# KiCad board MainPCB.kicad_pcb (continued)
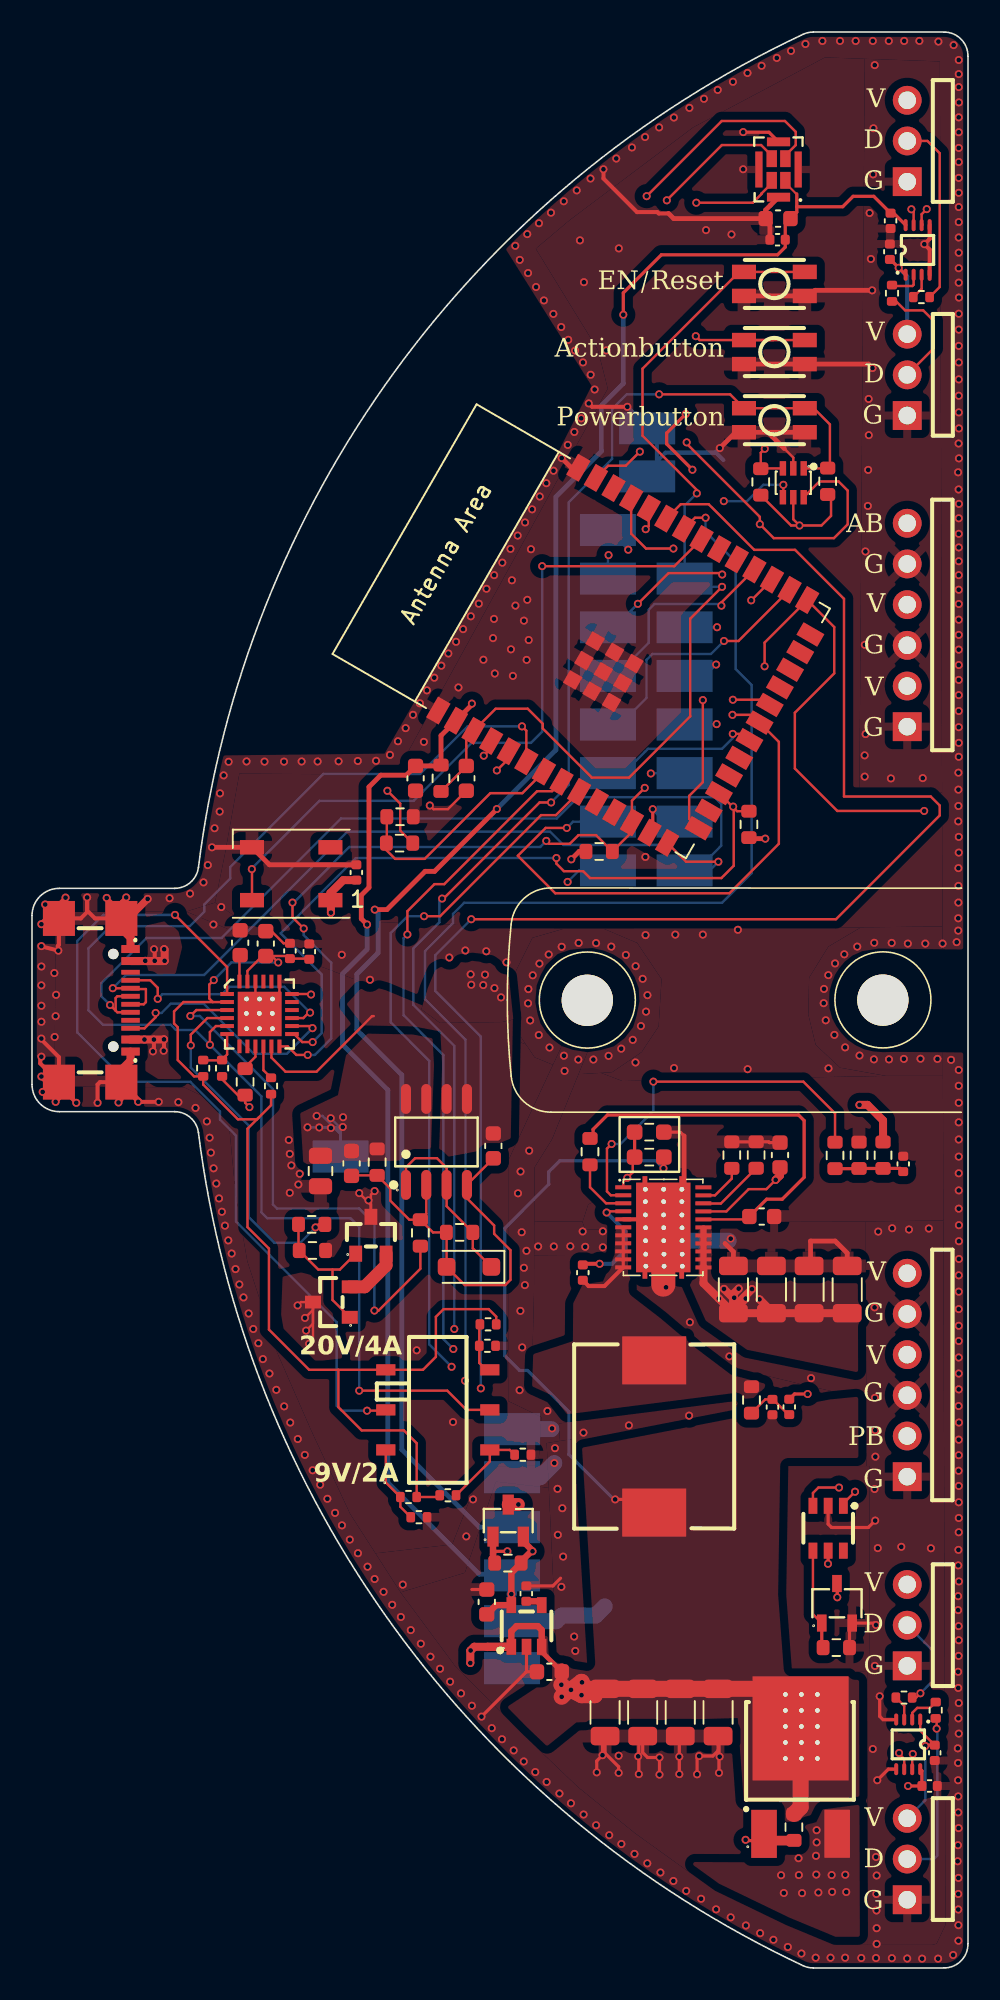
[diagram p0: board, top side]
## Routing (per net, layer and track width the routed paths; a pad name or vN(x,y) marks a point on that pad's centre or on a via; arc(x,y) is an arc through that point)
3.3V AFTER MOSFET: length 171.1
  Top w0.127: 47.79,110.75 47.76,110.75 47.07,111.43 U7.1
  Top w0.2: 47.79,109.95 50.66,109.95 51.31,110.6 52.6,110.6 C29.2 53.84,109.55 U24.8 ; 47.79,109.95 47.79,109.61 C27.2 47.07,108.89 C26.2 47.07,107.43 46.59,106.95 39.33,106.95 36.95,104.57 v1(36.95,103.21) ; 47.79,109.95 47.79,110.75 ; U14.8 55.61,12.3 C23.2 v1(54.74,11.36)
  Top w0.3: v1(21.42,66.07) 22.18,66.07 24.57,68.46 25.16,68.46 v1(29.05,72.35)
  Top w0.8: v1(30.39,28.94) 29.76,28.94 U11.3
  In2.Cu w0.2: v1(30.39,28.94) 28.52,27.06 28.52,25.73 31.97,22.28 43.86,22.28 45.13,21.01 45.13,10.93 42.95,8.75 42.95,6.83 43.57,6.21 45.34,6.21 51.75,12.62 53.48,12.62 v1(54.74,11.36)
  Bottom w0.3: P34.1 27.94,27.52 23.11,32.36 23.11,55.75 20.3,58.56 20.3,62.04 21.62,63.37 21.62,65.86 v1(21.42,66.07) ; v1(36.95,103.21) 36.95,98.91 35.58,97.54 35.58,94.68 32.74,91.84 32.74,76.04 v1(29.05,72.35)
  Bottom w0.4: P34.1 29.99,28.54 v1(30.39,28.94)
5V AFTER MOSFET: length 19.5
  Top w0.15: U14.1 55.5,14.82 C21.2
  Top w0.2: U24.1 v1(54.15,106.14) 53.63,106.66 ; v1(55.82,13.86) 55.87,13.91 C21.2
  Top w0.3: C28.2 53.63,106.66
  Bottom w0.15: v1(55.82,13.86) 55.82,10.47 U16.3
  Bottom w0.25: v1(54.15,106.14) 54.69,105.6 U18.3
  Bottom w1: P1.1 32.75,21.65 33.11,22 35.22,22 35.79,22.57
  vias: v1(46.81,5.79) v1(46.98,4.68) v1(47.9,6.85) v1(47.92,5.8) v1(48.12,4.67) v1(49.03,8.6) v1(49.03,7.84) v1(48.99,7) v1(49.01,5.83) v1(49.14,4.71) v1(49.97,5.8) v1(50,4.75) v1(50.82,5.82) v1(50.88,4.74)
+1V8: length 1.7
  Top w0.15: IC1.24 12.96,63.19 C3.2
+3.3V: length 174.2
  Top w0.15: v1(47.96,90.05) 47.43,90.05 R29.1 ; v1(47.96,90.05) 47.57,90.44 U15.5 ; v1(47.96,90.05) 49.33,90.05 49.93,90.65 49.93,91.97
  Top w0.2: v1(49.74,25.23) 49.75,25.24 U1.5 ; 31.26,26.07 31.26,26.03 v1(31.28,26.01) ; v1(41.27,93.53) 39.66,95.14 39.66,95.82 v1(40.85,97.01)
  Top w0.3: R4.1 44.86,70.5 v1(45.82,70.5) ; v1(20.94,65.14) 20.58,65.5 20.58,66.97 21.06,67.45 21.06,73.73 21.79,74.46 23.39,74.46 C19.2 25.5,75.04 R30.1 25.56,76.93 U23.2 27.49,78.86 v1(27.49,78.93) ; v1(33.7,69.21) 34.19,69.7 R3.1
  Top w0.4: U11.2 30.71,26.62 31.26,26.07 30.56,25.37 R23.2 29.95,24.67 U13.5 28.99,22.65 C24.2
  In2.Cu w0.2: v1(31.28,26.01) 31.69,26.42 48.55,26.42 v1(49.74,25.23) ; v1(41.27,93.53) 44.72,93.53 47.96,90.29 v1(47.96,90.05)
  In2.Cu w0.3: 34.17,69.62 33.76,69.21 v1(33.7,69.21) ; 34.17,69.62 34.17,72.67 ; 34.17,69.62 35.28,68.5 40.42,68.5 42.13,70.21 45.53,70.21 v1(45.82,70.5) ; 34.17,72.67 34.17,72.93 28.17,78.93 v1(27.49,78.93) ; 34.17,72.67 34.91,73.41 34.91,94.01 37.81,96.91 40.75,96.91 v1(40.85,97.01)
  Bottom w0.2: v1(31.28,26.01) 29.99,24.73 P33.1
  Bottom w0.3: v1(20.94,65.14) 20.94,63.59 19.4,62.06 19.4,57.64 22.24,54.81 22.24,30.29 27.94,24.58 29.99,24.58
  Bottom w0.6: 29.99,24.58 29.99,23.39 v1(29.95,23.34)
+5V: length 86.1
  Top w0.15: v1(17.13,39.79) 17.56,40.22 U4.3 ; U4.3 17.56,39.21 v1(17.32,38.97) ; U4.3 17.56,41.08 v1(17.06,40.58) ; U4.3 16.81,41.57 v1(16.6,41.36)
  Top w0.2: U20.1 38.06,29.25 v1(36.44,29.25) ; v1(39.46,49.92) 39.48,49.94 R31.1
  Top w0.3: 31.85,19.74 C20.2
  Top w0.4: U13.1 29.95,21.01 30.28,21.34 31.61,21.34 31.85,21.1 U13.3 31.85,19.74
  Top w0.5: 29.24,19.99 29.3,20.05 U13.1 ; 28.46,20.03 28.48,20.05 U13.1 ; 27.64,20.05 v1(27.41,19.82) ; 27.64,20.05 27.39,19.8 v1(27.39,19.04) ; 27.64,20.05 U13.1 ; v1(33.08,17.68) 33.1,17.71 C20.2 33.1,18.77 ; C30.2 19.45,67.91 18.65,67.11 D2.1 18.68,66.63 v1(18.68,65.88) ; U13.3 31.85,20.02
  Top w1: R20.2 48.02,10.03 U9.2 45.55,17.43 C18.1 C31.1 C32.1 C33.1 34.77,17.43 35.17,17.03 v1(34.34,17.03) v1(33.68,17.36) ; 33.4,17.36 33.4,17.23 v1(33.1,16.93) ; 33.4,17.36 v1(33.08,17.68) ; 33.4,17.36 v1(33.68,17.36) ; v1(33.68,17.36) 34.34,17.86 v1(34.37,17.83)
  In2.Cu w0.5: v1(18.68,65.88) 18.68,65.29 18.81,65.16
  Bottom w0.2: v1(39.46,49.92) 38.99,50.39 32.98,50.39 32.29,49.7 32.29,48.92 29.54,46.17 29.54,38.23 30.47,37.3 30.97,37.3 33.55,34.72 33.55,32.06 36.36,29.25 v1(36.44,29.25) ; P2.1 29.99,19.23 ; P2.1 28.8,18.71 ; P2.1 29.77,18.71
GND: length 202.1
  Top w0.15: 14.61,64.73 14.96,64.73 15.72,63.97 C6.1 ; 46.27,95.59 47.57,94.29 U15.2 ; C19.1 23.97,73.11 ; IC1.25 15.46,60.93 IC1.19 ; v1(13.59,53.74) 13.32,54.01 R1.2 12.87,54.49 11.88,55.48 R8.2 ; IC1.22 13.96,60.75 IC1.25 ; C25.1 25.99,72.34 25.09,72.34 v1(24.86,72.57)
  Top w0.2: v1(52.74,21.41) 52.62,21.53 U12.2 51.08,21.37 51.08,20 ; v1(37.92,12.1) 37.92,14.24 C32.2 38.16,13.45 38.47,13.14 v1(39.21,13.14) v1(39.21,12.07) ; 40.75,51.94 40.51,52.18 R32.2 ; U7.7 46.05,114.6 44.45,114.6 v1(44.44,114.61) ; 33.03,24.33 32.55,23.85 C22.1 ; 40.75,48.61 U6.23 ; v1(36.66,12.18) 36.66,12.56 35.81,13.41 C33.2 35.65,14.32 v1(35.65,13.28) 35.29,12.92 v1(35.29,12.21) ; v1(41.56,12.09) 41.56,13.1 v1(41.69,13.23) 42.54,13.23 42.87,13.56 C18.2 42.93,14.42 v1(42.93,12.18) ; U1.2 49.75,27.71 49.96,27.5 52.26,27.5 v1(52.69,27.93) ; 57.91,50.7 57.96,50.65 ; v1(40.45,12.1) 40.45,14.42 C31.2 ; R38.1 45.24,51.57 R18.1 46.03,51.58 46.08,51.53 46.74,51.53 ; v1(52.82,11.72) 53.51,12.41 U14.5 ; 30.89,18.49 v1(28.09,15.69) ; 30.89,18.49 31.55,18.49 ; 30.89,18.49 30.9,18.5 U13.2 ; v1(52.97,16.96) 52.97,15.71 53.18,15.5 53.99,15.5 U14.4 ; 39.45,42.66 v1(39.62,42.49) ; 28.42,23.63 27.48,23.63
  Top w0.25: U5.13 6.81,54.07 v1(7.92,54.07) ; U5.13 5.58,54.21 v1(5.41,54.03) ; U5.13 4.25,55.3 4.1,55.15 v1(4.1,54.01) ; U5.13 5.58,55.12 v1(6.64,54.07) ; 0.54,55.65 0.89,55.3 U5.14 ; v1(34.79,97.67) 35,97.46 v1(37.2,97.46) ; U24.4 56.09,107.28 v1(55.76,107.61) 56.09,107.94 U24.5 ; U5.15 1.68,66.41 v1(2.1,66.82) ; U5.15 0.89,65.52 0.53,65.16 ; U5.15 3.05,65.52 3.45,65.92 v1(3.45,66.83) 3.45,66.01 3.94,65.52 U5.16 ; U5.15 1.68,63.87 1.61,63.79 v1(1.65,63.51) 0.53,63.79 ; U5.15 1.6,65.52 0.73,66.39 ; v1(5.89,66.83) 5.58,66.53 U5.16 ; 0.52,56.89 0.52,56.47 U5.14 ; v1(2.77,54.01) 1.68,55.09 U5.14 ; U6.5 38.94,46.74 U6.23 ; U5.14 1.28,55.3 v1(0.67,54.69) ; U5.14 1.68,54.28 v1(1.48,54.07) ; U5.14 1.68,56.86 0.53,58.02 ; 39.78,109.53 39.16,109.53 39.07,109.62 37.8,109.62 35.71,111.71 v1(35.71,112.29) ; U5.16 6.01,65.52 ; U5.16 5.58,65.88 v1(4.67,66.8)
  Top w0.3: C14.2 43.83,44.71 43.31,45.23 ; 47.01,94.85 45.99,95.87 ; C17.2 48.65,43.92 48.65,45.38 50.19,45.38 50.94,44.63 C12.2 ; C26.1 46.11,108.95 C27.1 ; v1(52.52,99.88) 52.27,100.13 SW2.1 SW2.1 ; U7.5 45.84,109.74 C27.1 ; C27.1 40.1,109.21 39.78,109.53 ; C30.1 14.84,68.87 D2.3 v1(11.25,69.96) ; v1(42.98,94.88) 43.97,95.87 SW1.1 45.99,95.87 ; SW4.1 SW4.1 48.59,104.38 48.94,104.73 v1(52.5,104.73) ; 45.99,95.87 SW1.1 ; v1(33.1,94.26) 33.7,93.65 U23.40 ; 40.75,51.94 40.75,48.61
  Top w0.45: 6.01,65.52 v1(7.23,66.74)
  Top w0.5: U5.12 6.16,56.64 5.58,56.07 U5.13 ; U5.16 5.58,64.89 6.16,64.32 U5.1
  Top w1.5: U6.23 39.45,42.66
  In2.Cu w0.15: v1(10.93,52.85) 10.93,53.1 11.57,53.74 v1(13.59,53.74)
  In2.Cu w0.5: v1(23.17,23.93) 22.72,23.48 v1(21.97,23.48)
  Bottom w0.2: 32.45,33.64 v1(32.5,33.68)
  Bottom w0.25: 39.92,94.6 39.59,94.6 38.44,93.45 P6.1 39.05,93.72 39.05,95.51 P5.1 38.44,96.22 v1(37.2,97.46) ; 39.92,94.6 42.7,94.6 v1(42.98,94.88) ; 39.92,94.6 42.73,94.6 43.2,94.13 ; v1(43.66,45.53) 43.53,45.4
  Bottom w1: P3.1 32.45,33.64 ; v1(32.64,31.52) 31.75,30.64 P4.1 ; 43.53,45.4 U6.23
  vias: v1(0.59,65.16) v1(0.59,63.79) v1(0.59,62.52) v1(0.59,61.34) v1(0.59,60.07) v1(0.59,59.07) v1(0.59,58.02) v1(0.59,56.89) v1(0.59,55.65) v1(0.83,66.39) v1(1.4,62.11) v1(1.42,58.12) v1(1.51,60.75) v1(1.48,59.42) v1(8.6,66.78) v1(9.15,54.05) v1(9.88,67.07) v1(10.22,53.69) v1(10.72,67.77) v1(10.99,68.85) v1(11.1,51.83) v1(11.18,50.9) v1(11.41,71.15) v1(11.34,65.14) v1(11.35,49.92) v1(11.52,48.97) v1(11.73,72.19) v1(11.69,48.04) v1(11.75,73.33) v1(11.83,66.23) v1(11.87,47.21) v1(11.98,74.45) v1(12.06,46.34) v1(12.29,75.3) v1(12.27,45.42) v1(12.48,44.6) v1(12.72,43.63) v1(12.96,42.67) v1(13.22,41.86) v1(13.41,75.32) v1(13.54,40.86) v1(13.83,39.89) v1(14.15,39) v1(14.43,38.01) v1(14.53,75.31) v1(14.84,37.11) v1(15.27,36.09) v1(15.75,75.31) v1(15.76,35.06) v1(16.05,51.69) v1(16.11,50.82) v1(16.11,48.39) v1(16.21,50.1) v1(16.14,34.05) v1(16.61,33.02) v1(16.73,49.58) v1(16.65,48.91) v1(16.85,75.32) v1(17.05,32.03) v1(17.54,31.07) v1(17.85,75.32) v1(18.01,30.17) v1(18.46,29.29) v1(18.94,28.41) v1(19.16,75.33) v1(19.36,63.25) v1(19.37,27.63) v1(19.86,26.74) v1(20.36,75.35) v1(20.37,25.89) v1(20.97,25.05) v1(21.12,61.69) v1(21.41,24.28) v1(21.5,75.36) v1(22.37,75.73) v1(22.51,22.67) v1(22.87,76.58) v1(23.05,21.91) v1(23.35,77.4) v1(23.67,21.09) v1(23.81,78.23) v1(24.04,38.56) v1(24.24,78.95) v1(24.3,20.24) v1(24.49,76.54) v1(24.68,79.76) v1(24.9,19.43) v1(25.14,80.55) v1(25.5,18.68) v1(25.58,81.3) v1(26.02,82.06) v1(26.08,63.08) v1(26.13,17.87) v1(26.31,34.08) v1(26.5,82.79) v1(26.65,79.94) v1(26.81,17.14) v1(26.94,83.58) v1(27.08,63.52) v1(27.14,26.94) v1(27.42,84.38) v1(27.49,16.37) v1(27.56,29.25) v1(27.92,85.17) v1(28.21,81.67) v1(28.4,86.1) v1(28.39,63.47) v1(28.73,14.97) v1(28.81,83.02) v1(28.88,86.95) v1(28.87,84.22) v1(28.92,80.81) v1(29.39,87.73) v1(29.37,14.28) v1(29.65,62.78) v1(29.9,88.59) v1(29.93,82.32) v1(29.99,86.63) v1(30.05,80.66) v1(30.1,13.58) v1(30.2,107.51) v1(30.21,85.05) v1(30.35,89.42) v1(30.37,48.36) v1(30.48,106.63) v1(30.53,49.72) v1(30.52,41.02) v1(30.47,36.07) v1(30.6,45.93) v1(30.63,38.74) v1(30.73,12.89) v1(30.81,90.24) v1(30.74,84.11) v1(30.74,43.71) v1(30.8,42.63) v1(30.91,81.66) v1(30.9,44.77) v1(30.95,108.24) v1(31,105.81) v1(30.95,85.41) v1(31.04,82.9) v1(31.02,61.11) v1(31,60.22) v1(31.13,59.15) v1(31.07,51.02) v1(31.18,88.57) v1(31.25,91.06) v1(31.29,61.97) v1(31.5,104.94) v1(31.45,12.23) v1(31.63,45.04) v1(31.68,108.92) v1(31.73,91.86) v1(31.71,62.7) v1(31.67,58.24) v1(31.99,104.1) v1(32.14,92.69) v1(32.21,34.77) v1(32.16,11.61) v1(32.29,63.27) v1(32.43,109.58) v1(32.34,57.46) v1(32.58,103.26) v1(32.59,93.47) v1(32.61,45.04) v1(32.68,32.45) v1(32.84,29.91) v1(32.86,27.04) v1(32.96,10.89) v1(33.07,102.44) v1(33.1,63.75) v1(33.14,28.7) v1(33.08,23.79) v1(33.23,110.29) v1(33.19,25.68) v1(33.24,56.95) v1(33.28,56) v1(33.51,101.64) v1(33.48,95.08) v1(33.64,45.05) v1(33.68,10.28) v1(33.94,100.97) v1(33.89,95.89) v1(33.88,20.69) v1(34.04,110.97) v1(33.95,19.79) v1(34.14,56.71) v1(34.16,63.99) v1(34.24,107.85) v1(34.32,96.74) v1(34.43,100.23) v1(34.41,45.98) v1(34.49,105.24) v1(34.46,33.42) v1(34.47,9.58) v1(34.57,45.02) v1(34.9,111.71) v1(34.91,99.46) v1(35.08,56.71) v1(35.16,98.54) v1(35.25,63.98) v1(35.25,8.91) v1(35.67,45.99) v1(35.67,44.99) v1(35.89,100.98) v1(36.03,56.94) v1(36.07,8.29) v1(36.2,63.76) v1(36.51,112.96) v1(36.67,107.35) v1(36.66,13.25) v1(36.82,57.39) v1(36.83,7.74) v1(37.11,63.24) v1(37.3,33.87) v1(37.49,113.65) v1(37.54,57.94) v1(37.72,62.54) v1(37.71,56.53) v1(37.65,7.12) v1(37.88,13.21) v1(38.05,58.8) v1(38.16,61.75) v1(38.31,114.3) v1(38.33,69.36) v1(38.34,64.48) v1(38.37,59.7) v1(38.46,60.73) v1(38.45,6.53) v1(39.19,114.9) v1(39.27,5.96) v1(40.11,115.52) v1(40.12,56.18) v1(40.08,5.43) v1(40.2,64.51) v1(40.45,13.19) v1(40.88,4.81) v1(41.08,116.12) v1(41.11,40.31) v1(41.06,34.48) v1(41.81,4.32) v1(41.92,64.51) v1(41.99,116.69) v1(42.12,108.49) v1(42.75,3.66) v1(42.85,117.24) v1(42.97,13.19) v1(43.58,38.18) v1(43.71,108.22) v1(43.66,3.16) v1(43.8,117.75) v1(44.11,64.81) v1(44.44,112.29) v1(44.61,2.65) v1(44.71,118.3) v1(44.72,56.11) v1(45.5,2.17) v1(45.59,118.75) v1(46.33,1.76) v1(46.54,119.24) v1(47.23,1.31) v1(47.43,119.68) v1(48.08,0.9) v1(48.33,120.11) v1(48.68,36.82) v1(48.97,0.64) v1(49.39,120.3) v1(49.49,61.12) v1(49.47,60.23) v1(49.6,59.16) v1(49.76,61.98) v1(49.77,56.16) v1(49.9,0.64) v1(50.14,58.25) v1(50.18,62.71) v1(50.49,120.3) v1(50.76,63.28) v1(50.81,57.47) v1(50.81,0.64) v1(51.47,120.3) v1(51.57,63.76) v1(51.71,56.96) v1(51.82,0.62) v1(52.04,82.6) v1(52.03,75.7) v1(52.03,74.37) v1(52.08,88.43) v1(52.09,77.03) v1(52.23,91.27) v1(52.28,97.95) v1(52.29,95.69) v1(52.25,93.52) v1(52.34,109.56) v1(52.42,106.69) v1(52.54,120.3) v1(52.54,13.67) v1(52.58,114.85) v1(52.56,111.97) v1(52.63,64) v1(52.61,56.72) v1(52.66,118.79) v1(52.65,41.24) v1(52.67,35.59) v1(52.69,33.57) v1(52.7,31.92) v1(52.65,29.9) v1(52.67,18.86) v1(52.74,6.93) v1(52.78,5.77) v1(52.76,4.62) v1(52.77,3.59) v1(52.78,2.48) v1(52.78,1.5) v1(52.74,0.62) v1(52.88,45.97) v1(52.85,26.21) v1(53.54,120.3) v1(53.55,56.72) v1(53.67,74.26) v1(53.72,63.99) v1(53.73,0.61) v1(53.75,46.18) v1(54.32,26.29) v1(54.5,120.3) v1(54.48,56.75) v1(54.73,63.95) v1(54.69,0.59) v1(54.8,46.1) v1(55.45,120.3) v1(55.52,56.76) v1(55.62,0.58) v1(55.66,74.28) v1(55.82,63.95) v1(56.04,46.16) v1(56.17,26.2) v1(56.64,120.26) v1(56.58,56.75) v1(56.62,0.58) v1(56.9,63.95) v1(57.43,56.69) v1(57.59,120.04) v1(57.56,0.81) v1(57.78,64.04) v1(57.91,119.11) v1(57.91,118.23) v1(57.91,117.42) v1(57.92,116.46) v1(57.91,115.53) v1(57.91,114.6) v1(57.91,113.62) v1(57.91,112.74) v1(57.91,111.75) v1(57.91,110.82) v1(57.91,109.93) v1(57.91,108.99) v1(57.91,108.03) v1(57.91,107.08) v1(57.91,106.11) v1(57.91,105.21) v1(57.92,104.28) v1(57.91,103.27) v1(57.91,102.28) v1(57.91,101.26) v1(57.91,100.23) v1(57.91,99.17) v1(57.91,98.15) v1(57.91,97.11) v1(57.92,96.11) v1(57.9,95.17) v1(57.92,94.24) v1(57.87,93.37) v1(57.9,92.3) v1(57.92,91.4) v1(57.91,90.5) v1(57.91,89.53) v1(57.91,88.68) v1(57.91,87.82) v1(57.91,86.95) v1(57.91,86.04) v1(57.91,85.15) v1(57.91,84.17) v1(57.91,83.22) v1(57.91,82.3) v1(57.91,81.34) v1(57.91,80.41) v1(57.91,79.46) v1(57.91,78.47) v1(57.91,77.46) v1(57.91,76.48) v1(57.91,75.61) v1(57.89,74.62) v1(57.89,73.56) v1(57.89,72.54) v1(57.88,71.58) v1(57.91,70.61) v1(57.91,69.63) v1(57.89,68.66) v1(57.89,67.55) v1(57.89,66.51) v1(57.88,65.53) v1(57.88,64.76) v1(57.91,56.06) v1(57.91,55.07) v1(57.91,54.01) v1(57.91,52.79) v1(57.91,51.72) v1(57.91,50.65) v1(57.91,49.61) v1(57.91,48.54) v1(57.91,47.4) v1(57.92,46.37) v1(57.92,45.37) v1(57.92,44.26) v1(57.91,43.24) v1(57.91,42.22) v1(57.91,41.13) v1(57.91,40.09) v1(57.91,39.14) v1(57.91,38.11) v1(57.91,37.11) v1(57.91,36.12) v1(57.9,35.08) v1(57.92,34.05) v1(57.91,32.98) v1(57.91,32.01) v1(57.9,31.04) v1(57.91,30.09) v1(57.91,29.07) v1(57.91,28.09) v1(57.91,27.2) v1(57.89,26.1) v1(57.88,25.13) v1(57.92,24.13) v1(57.87,23.21) v1(57.87,22.34) v1(57.9,21.34) v1(57.91,20.46) v1(57.9,19.48) v1(57.87,18.49) v1(57.88,17.48) v1(57.91,16.54) v1(57.89,15.58) v1(57.91,14.63) v1(57.85,13.71) v1(57.87,12.8) v1(57.87,11.72) v1(57.88,10.71) v1(57.88,9.71) v1(57.9,8.73) v1(57.86,7.66) v1(57.84,6.66) v1(57.89,5.62) v1(57.88,4.62) v1(57.88,3.65) v1(57.89,2.67) v1(57.89,1.7)
VBUS: length 57.6
  Top w0.15: v1(21.41,48.5) 21.18,48.27 U3.3 ; R5.1 23.01,71.01 23.01,72.69 v1(22.21,73.49) ; U3.3 21.18,47.77 v1(21.03,47.92) ; U3.3 21.18,47.64 v1(20.45,48.37) ; v1(19.42,52.5) 19.42,52.62 ; IC1.18 17.4,60.8 v1(17.44,60.77) ; v1(17.79,53.19) 17.93,53.19 ; R14.2 18.53,44.79
  Top w0.25: v1(7.56,57.22) 7.62,57.28 v1(7.62,57.96) U5.11 v1(7.03,57.96) ; v1(7.08,62.87) 7.06,62.86 U5.2 7.65,62.86 v1(7.67,62.87) 7.67,63.56 v1(7.63,63.6) ; 8.25,57.95 v1(8.25,57.97) 8.25,57.28 v1(8.23,57.26)
  Top w0.5: U5.11 8.24,57.96 v1(8.25,57.97) ; U5.2 8.27,62.86 v1(8.29,62.87) 8.29,63.57 v1(8.26,63.6)
  In2.Cu w0.15: v1(22.21,73.49) 22.01,73.49 21.62,73.88 13.05,73.88 12.83,73.66 12.83,68.37 8.26,63.8 v1(8.26,63.6)
  Bottom w0.15: v1(18.67,53.05) 19.28,52.43 P35.1 ; v1(17.95,52.47) 18.88,52.47 19.28,52.06 ; 19.28,52.06 18.16,53.19 v1(17.79,53.19) ; 19.28,52.06 P35.1 ; P35.1 19.28,52.22 ; P35.1 19.28,52.37 v1(19.42,52.5) ; 19.28,52.22 19.02,52.48 v1(17.22,52.48) ; 19.28,52.22 19.06,52.44 v1(18.68,52.44)
  vias: v1(19.44,53.11)
ACTIONBUTTON_EXTERNAL: length 84.4
  Top w0.15: U15.3 45.56,93.62 R29.2 45.54,94.59 v1(45.79,94.84) ; SW2.2 46.32,101.63 ; 46.32,101.63 SW2.2 ; 46.32,101.63 41.72,101.63 v1(41.48,101.87) ; v1(45.78,81.26) 45.78,82.74 U23.27 50.13,83.71 50.13,80.82 47.67,78.36 47.67,74.88 50.32,72.23 v1(55.75,72.23)
  In2.Cu w0.15: v1(55.75,72.23) 54.69,73.29 54.69,74.54 52.95,76.28 52.95,88.45 U21.6 ; v1(41.48,101.87) 45.79,97.56 v1(45.79,94.84) 47.45,94.84 49.5,92.79 49.5,84.98 v1(45.78,81.26)
EN: length 61.2
  Top w0.15: SW4.2 SW4.2 44.19,105.88 38.15,99.84 38.15,95.66 41.54,92.27 v1(41.54,92.06) ; R30.2 27.14,75.03 C25.2 27.14,76.78 U23.3 28.97,78.61 30.98,78.61 31.92,77.67 31.92,77.37 34.98,74.31 37.31,74.31 41.13,78.13 41.13,84.23 v1(43.12,86.22)
  Bottom w0.15: v1(41.54,92.06) 40.78,91.29 P30.1 41.29,86.22 v1(43.12,86.22)
IO1/POWERBUTTON: length 38.5
  Top w0.15: v1(37.98,94.66) 37.1,93.78 36,93.78 U23.39 ; U15.6 49.2,92.8 50.4,92.8 50.97,92.23 50.97,90.12 50.11,89.26 46.35,89.26 v1(45.48,90.13) 45.48,90.59 40.91,95.16 v1(40.91,95.24)
  In2.Cu w0.15: v1(45.48,90.13) 45.48,89.77 46.69,88.56 46.69,85.31 v1(42.75,81.37) ; v1(40.91,95.24) 40.86,95.29 38.61,95.29 v1(37.98,94.66)
  Bottom w0.15: v1(42.75,81.37) 42.04,80.66 P32.1
IO3/ACTIONBUTTON: length 31.6
  Top w0.15: v1(46.95,92.59) 46.95,91.84 U15.4 ; U23.15 41.06,71.74 41.06,73.17 41.92,74.03 v1(41.92,79.15)
  In2.Cu w0.15: v1(43.23,91.57) 43.23,90.8 45.93,88.1 45.93,85.44 44.19,83.7 v1(42.81,83.7) 41.88,82.77 41.88,79.19 v1(41.92,79.15)
  Bottom w0.15: P31.1 42.8,83.7 v1(42.81,83.7) ; v1(43.23,91.57) 44.67,91.57 45.69,92.59 v1(46.95,92.59)
IO4/LED3: length 75.1
  Top w0.15: U24.7 55.09,109.65 v1(54.95,109.79) ; U23.4 28.69,76.14 v1(28.23,75.68)
  In2.Cu w0.15: v1(54.95,109.79) 53.53,108.37 51.01,108.37 50.22,107.58 50.22,71.18 45.63,66.59 33.54,66.59 30.88,69.25 30.88,74.87 30.07,75.68 v1(28.23,75.68)
IO5/LED4: length 75.8
  Top w0.15: v1(55.91,109.8) 55.59,109.48 U24.6 ; U23.5 29.79,75.5 v1(29.05,74.76)
  Top w0.2: U24.6 55.61,108.83
  In2.Cu w0.15: v1(29.05,74.76) 29.88,73.93 29.88,68.96 33.1,65.74 46.28,65.74 50.99,70.45 50.99,106.97 51.45,107.43 53.54,107.43 v1(55.91,109.8)
IO6/USB PD AMPS DETECTION: length 87.3
  Top w0.15: SW3.5 27.15,34.84 25.95,36.04 v1(20.45,36.04) ; v1(30.62,77.51) 30.89,77.24 U23.6 ; v1(11.12,57.63) 11.12,58.43 11.49,58.8 IC1.5
  Bottom w0.15: v1(30.62,77.51) 27.22,77.51 24.25,74.54 18.2,74.54 12.39,68.73 12.39,68.01 10.77,66.39 10.77,65.94 9.87,65.04 4.92,65.04 3.53,63.65 3.53,59.79 4.44,58.88 8.67,58.88 8.99,58.56 10.19,58.56 v1(11.12,57.63) 14.34,54.41 14.34,47.17 14.7,46.81 19.9,46.81 20.45,46.26 v1(20.45,36.04)
IO7/USB PD VOLTS DETECTION: length 14.4
  Top w0.15: R17.1 22.17,70.25 R5.2 22.14,69.79 22.69,69.24 24.54,69.24 28.64,73.34 30.64,73.34 U23.7
IO8/I2C SDA: length 57.7
  Top w0.15: v1(38.29,73.67) 37.49,72.87 U23.12 37.49,70.93 R3.2 35.24,70.72 34.15,70.72 33.61,70.18 32.31,70.18 v1(32.13,70.36) ; v1(17.23,57) 16.52,57 15.98,57.53 IC1.12 ; v1(16.98,64.89) 16.28,65.59 v1(16.28,66.51)
  In2.Cu w0.15: v1(38.29,73.67) 37.08,74.88 37.08,88.36 v1(37.26,88.54)
  Bottom w0.15: v1(17.23,57) 17.68,57 18.7,58.02 18.7,62.76 16.98,64.48 v1(16.98,64.89) ; P8.1 36.03,89.77 v1(37.26,88.54) ; v1(16.28,66.51) 16.36,66.51 19.83,69.98 31.75,69.98 v1(32.13,70.36)
IO9/I2C SCL: length 72.3
  Top w0.15: 43.85,72.42 44.05,72.22 R4.2 ; 43.85,72.42 U23.17 ; 43.85,72.42 43.85,68.81 43.08,68.04 34.87,68.04 34.44,68.47 33.24,68.47 32.77,68.94 v1(32.77,69.29) ; v1(17.54,57.8) 16.89,57.8 16.38,58.3 IC1.13
  In2.Cu w0.15: v1(43.81,72.5) 40.98,72.5 39.61,71.13 38.55,71.13 36.03,73.65 v1(36.03,88.2)
  Bottom w0.15: v1(17.54,57.8) 18.1,58.37 18.1,62.03 15.54,64.59 20.24,69.29 v1(32.77,69.29) ; v1(36.03,88.2) 35.99,88.16 P9.1
IO12/I2S WS: length 66.9
  Top w0.15: U23.20 44.43,77.04 v1(43.79,77.04) ; v1(38.41,110.61) 43.1,115.3 47.05,115.3 47.72,114.63 47.72,113.8 47.07,113.15 U7.2
  In2.Cu w0.15: v1(38.41,110.61) 38.47,110.55 38.47,100.86 41.83,97.5 41.83,96.39 41.53,96.09 38.08,96.09 36.92,94.93 36.92,92.77 39.34,90.35 39.34,87.31 39.87,86.78 39.87,78.61 41.44,77.04 v1(43.79,77.04)
  Bottom w0.15: v1(43.79,77.04) 43.79,76.78 43.12,76.11 38.49,76.11 36.97,74.59 P18.1
IO13/I2S SCK: length 85.5
  Top w0.15: v1(33.42,71.17) 32.1,71.17 30.36,69.43 32.7,67.09 43.58,67.09 46.67,70.18 46.67,76.54 U23.21 44.98,78.23 v1(43.77,78.23) ; U7.3 46.22,113.13 45.56,113.8 43.1,113.8 39.67,110.36 v1(39.67,110.35)
  In2.Cu w0.15: v1(43.77,78.23) 42.53,79.46 42.53,80.12 47.75,85.33 47.75,89.17 44.06,92.85 40.74,92.85 40.52,93.07 40.52,93.8 42.87,96.15 42.87,97.77 39.67,100.97 v1(39.67,110.35)
  Bottom w0.15: P19.1 33.8,71.56 v1(33.42,71.17)
IO14/I2S SD: length 76.6
  Top w0.15: U23.22 45.77,79.17 v1(43.79,79.17) ; U7.4 46.22,111.42 45.57,110.77 45.57,110.74 45.04,110.2 v1(41.51,110.2)
  In2.Cu w0.15: v1(33.47,67.8) 33.77,67.5 44.96,67.5 49.09,71.63 49.09,75.64 45.55,79.17 v1(43.79,79.17) 43.79,80.43 48.76,85.39 48.76,92.32 47.05,94.02 45.45,94.02 43.74,95.74 43.74,98.42 40.72,101.44 40.72,109.41 v1(41.51,110.2)
  Bottom w0.15: P20.1 34.19,68.52 v1(33.47,67.8)
IO15/LED LETCH EN: length 72.2
  Top w0.15: v1(23.46,64.52) 23.46,65.97 25.15,67.66 25.76,67.66 31.56,73.47 32.5,73.47 U23.8 ; v1(51.43,29.73) 50.7,29 U1.1
  In2.Cu w0.15: v1(26.33,38.64) 27.03,37.94 31.93,37.94 38,31.87 50.13,31.87 51.43,30.57 v1(51.43,29.73)
  Bottom w0.15: v1(23.46,64.52) 23.22,64.28 23.22,59.48 25.71,56.99 25.71,39.26 v1(26.33,38.64)
IO16/POWERMOSFETS: length 74
  Top w0.15: v1(24.5,65.66) 25.5,65.66 31.81,71.97 32.74,71.97 U23.9 ; U1.3 48.8,29.65 49.14,29.99 v1(50.43,29.99)
  In2.Cu w0.15: v1(26.22,37.53) 31.31,37.53 38.85,29.99 v1(50.43,29.99)
  Bottom w0.15: v1(26.22,37.53) 24.82,38.93 24.82,56.63 22.42,59.03 22.42,64.61 23.47,65.66 v1(24.5,65.66)
IO19/USB D-: length 48.5
  Top w0.15: v1(5.05,61.16) 5.05,61.16 U5.5 6.21,61.11 7.12,61.11 7.12,60.3 6.98,60.16 U5.7
  Top w0.2: U23.13 38.79,71.08 v1(38.79,72.34)
  Bottom w0.15: P21.1 39.33,70.11 33.2,70.11 32.37,70.94 19.7,70.94 10.76,61.99 5.87,61.99 v1(5.05,61.16)
  Bottom w0.2: P21.1 39.57,71.56 v1(38.79,72.34)
IO20/USB D+: length 60.1
  Top w0.15: U23.14 40.87,69.06 v1(42.89,69.06) ; U5.6 5.33,60.66 5.23,60.55 5.23,59.77 ; 5.23,59.77 v1(4.88,60.12) ; 5.23,59.77 5.33,59.66 U5.8
  Bottom w0.15: v1(4.88,60.12) 4.33,60.66 4.33,61.48 7.16,64.3 11.85,64.3 19.31,71.76 32.79,71.76 34.12,73.09 42.64,73.09 43.07,72.67 43.07,70.06 41.53,68.52 P22.1 42.35,68.52 v1(42.89,69.06)
IO35/SPI MO: length 16.2
  Top w0.15: v1(43.24,82.84) 44.14,82.84 U23.28
  Bottom w0.15: P27.1 36.74,77.63 38.4,79.29 38.4,81.66 38.77,82.03 42.43,82.03 v1(43.24,82.84)
IO36/SPI SCK: length 12.9
  Top w0.15: v1(37.86,85.16) 39.78,87.08 43.04,87.08 v1(43.13,86.99) ; v1(44.94,85.38) 44.95,85.38 U23.29
  In2.Cu w0.15: v1(44.94,85.38) 43.33,86.99 v1(43.13,86.99)
  Bottom w0.15: v1(37.86,85.16) 36.39,83.7 P25.1
IO37/SPI MI: length 13.3
  Top w0.15: v1(43.08,85.05) 43.08,85.24 U23.30
  Bottom w0.15: P26.1 36.47,80.66 38.54,82.73 38.54,84.79 38.9,85.15 42.97,85.15 v1(43.08,85.05)
IO40/STATUS LED DATA: length 44.7
  Top w0.15: U23.33 40.14,87.51 v1(31.88,87.51) ; v1(13.74,68.6) 13.75,68.59 D2.4
  Bottom w0.15: v1(13.74,68.6) 13.74,68.64 17.96,72.86 23.85,72.86 27.47,76.48 31.18,76.48 31.88,77.18 v1(31.88,87.51)
IO41/LED2: length 120.7
  Top w0.15: v1(54.18,13.42) 54.18,13.37 54.5,13.05 U14.6 ; v1(42.09,90.53) 41.43,90.53 U23.34
  In2.Cu w0.15: v1(27.06,36.66) 27.06,34.19 31.31,29.94 31.31,28.99 32.34,27.96 48.31,27.96 51.04,25.23 51.04,16.36 53.98,13.42 v1(54.18,13.42)
  Bottom w0.15: v1(27.06,36.66) 27.08,36.69 27.08,57.95 24.56,60.48 24.56,63.48 26.31,65.23 26.31,65.8 27,66.5 43.11,66.5 44.97,68.35 44.97,80.09 43.97,81.09 43.97,87.78 42.09,89.66 v1(42.09,90.53)
IO42/LED1: length 140.2
  Top w0.15: v1(55.04,13.36) 55,13.32 U14.7 ; v1(27.45,65.47) 50.24,65.47 56.72,71.95 56.72,72.57 56.16,73.13 50.74,73.13 50.74,85.47 47.68,88.53 45.13,88.53 42.28,91.38 40.54,91.38 U23.35
  In2.Cu w0.15: v1(55.04,13.36) 55.04,13.51 51.89,16.66 51.89,25.37 48.36,28.9 37.87,28.9 36.15,30.62 31.66,30.62 28.04,34.23 v1(28.04,36.18)
  Bottom w0.15: v1(27.45,65.47) 25.2,63.22 25.2,60.99 28.04,58.14 v1(28.04,36.18)
LED1 DATA OUT: length 10.6
  Top w0.15: R26.2 56.53,15.52 v1(56.53,14.94)
  Bottom w0.15: U16.2 56.35,6.8 56.57,7.01 56.57,14.9 v1(56.53,14.94)
LED2 DATA OUT: length 5.9
  Top w0.15: R27.2 55.24,16.88 v1(55.51,17.15)
  Bottom w0.15: v1(55.51,17.15) 56.31,17.94 56.31,19.78 U17.2
LED3 DATA OUT: length 7.2
  Top w0.15: U18.2 56.35,101.12 56.35,102.82 55.69,103.48 54.56,103.48 54,104.04 R24.2
LED4 DATA OUT: length 11.6
  Top w0.15: U19.2 55.95,114.06 56.72,113.29 56.72,104.94 R25.2
POWERBUTTON_EXTERNAL: length 114.6
  Top w0.15: v1(32.44,72.76) 31.72,72.76 25.72,66.76 v1(25.63,66.76) ; v1(39.19,98.24) 43.62,98.24 SW1.2 SW1.2 48.84,97.37 49.86,96.36 49.86,93.78 R28.1 49.7,93.62 U15.1
  In2.Cu w0.15: v1(26.39,39.89) 32.49,39.89 38.8,33.58 50.64,33.58 51.47,32.75 54.23,32.75 U22.2
  Bottom w0.15: v1(39.19,98.24) 37.16,98.24 36.25,97.32 36.25,94.21 33.54,91.5 33.54,73.86 v1(32.44,72.76) ; v1(26.39,39.89) 26.39,57.56 23.83,60.12 23.83,63.65 25.46,65.28 25.46,66.59 v1(25.63,66.76)
RXD0: length 19
  Top w0.15: U23.36 38.54,90.01 v1(38.35,89.82)
  In2.Cu w0.15: v1(38.67,74.57) 38.83,74.73 38.83,89.34 v1(38.35,89.82)
  Bottom w0.15: v1(38.67,74.57) 38.69,74.59 P29.1
STEPDOWN_EN: length 23.6
  Top w0.15: v1(38.83,55.33) 48.2,55.33 50.18,53.35 R46.1 ; U6.2 36.17,48.24 35.93,48.48 35.93,51.15 v1(36.22,51.44)
  Top w0.2: R46.1 50.25,51.62
  Bottom w0.15: v1(36.22,51.44) 36.77,51.44 38.83,53.5 v1(38.83,55.33)
STEPDOWN_PGOOD: length 3.9
  Top w0.15: U6.3 35.87,47.74 34.87,48.74 R36.1
STEPDOWN_VFB: length 29
  Top w0.15: 36.94,49.08 U6.1 ; 36.94,49.08 37.54,49.67 37.54,50.5 R31.2 ; 36.94,49.08 v1(37.2,49.33)
  Top w0.2: C36.1 47.64,35.83 v1(48.47,35.83) ; R32.1 R31.2
  In2.Cu w0.2: v1(37.2,49.33) 37.2,37.81 39.18,35.83 v1(48.47,35.83)
STEPDOWN_VREG: length 25.3
  Top w0.15: U6.18 44.64,46.73 C15.2
  Top w0.2: R36.2 35.06,51.98 35.06,52.35 35.96,53.25 47.9,53.25 48.25,52.9 48.25,49.36 46.88,47.99 45.9,47.99 C15.2
TXD0: length 19.8
  Top w0.15: v1(40.08,88.61) 38.37,88.61 37.44,89.54 U23.37
  In2.Cu w0.15: v1(42.78,77.65) 41.91,77.65 41.1,78.46 41.1,87.59 v1(40.08,88.61)
  Bottom w0.15: v1(42.78,77.65) 42.75,77.63 P28.1
USB-C CC1: length 14.4
  Top w0.15: IC1.15 16.96,59.3 17.3,59.64 v1(17.38,59.64) ; U5.4 7.39,61.66 7.86,61.19 v1(7.86,60.5)
  Bottom w0.15: v1(17.38,59.64) 15.76,61.25 12.34,61.25 11.89,60.8 8.15,60.8 v1(7.86,60.5)
USB-C CC2: length 15.5
  Top w0.15: U5.10 7.03,58.66 7.73,59.35 v1(7.73,59.62) ; IC1.14 17.39,58.8 v1(17.53,58.67)
  Bottom w0.15: v1(17.53,58.67) 15.93,57.07 13.86,57.07 10.73,60.2 8.68,60.2 8.1,59.62 v1(7.73,59.62)
USB_PD_IC 3.3V: length 73.4
  Top w0.15: R39.1 25.37,29.4 R10.1 24.04,32.76 23.24,33.56 20.6,33.56 19.15,35.01 19.15,37.34 ; 14.15,53.07 14.94,53.86 R2.1 ; 14.15,53.07 14.06,52.98 12.87,52.98 10.7,55.15 R6.1 10.13,55.66 9.11,56.68 9.11,58.73 8.88,58.96 8.88,59.71 9.47,60.3 11.3,60.3 ; 14.15,53.07 13.47,52.39 13.47,46.25 14.81,44.91 14.81,39.85 17.32,37.34 19.15,37.34 ; C5.2 14.39,63.18 13.46,62.24 IC1.23 ; C5.2 14.98,63.18 v1(15.39,62.77) ; C5.2 15.95,63.18 C6.2 17.29,63.01 C7.2 ; IC1.2 11.3,60.3 ; 11.3,60.3 11.08,60.52 11.08,61.39 v1(11.36,61.67) ; 19.15,37.34 SW3.3 24.43,37.34 25.24,38.15 25.24,40.65 25.72,41.13 28.54,41.13 29.01,40.66 R13.1
  Bottom w0.15: v1(15.39,62.77) 12.46,62.77 v1(11.36,61.67)
USB_PD_IC_FAULT: length 1.7
  Top w0.15: IC1.9 13.96,56.89 13.32,56.24 R1.1
USB_PD_IC_FET_GATE: length 26.3
  Top w0.15: C2.2 20,49.48 R7.1 22.39,48.66 22.39,47.9 23.58,46.71 R9.2 ; R9.2 25.06,45.92 R12.1 25.9,45.91 D1.2 27.04,42.63 29.57,42.63 29.9,42.96 29.9,44.81 28.88,45.83 28.88,46.35 27.18,48.05 U2.4 27.18,48.9 C4.2 ; R9.2 24.64,47.08 U2.2
USB_PD_IC_FET_SRC: length 11.5
  Top w0.15: D1.1 27.54,44.93 R12.2 25.91,47.56 U2.3 25.91,49.95 25.31,50.55 23.94,50.55 23.37,49.98 U2.1
USB_PD_IC_FLIP: length 2.2
  Top w0.15: R2.2 14.46,56.05 IC1.10
USB_PD_IC_ISNK_FINE: length 3
  Top w0.15: IC1.6 12.19,57.03 11.83,56.66 10.65,56.66 10.63,56.64
USB_PD_IC_SAFE_PWR_EN: length 21.5
  Top w0.15: v1(17.72,46.23) 17.91,46.42 R15.1 ; IC1.4 10.96,59.3 9.92,58.27 v1(9.92,57.6)
  Bottom w0.15: v1(17.72,46.23) 16.76,45.27 15.15,45.27 13.55,46.87 13.55,52.59 9.92,56.22 v1(9.92,57.6)
USB_PD_IC_VBUS_FET_EN: length 34.3
  Top w0.15: v1(21.4,41.04) 21.66,41.04 24.27,43.65 R9.1 ; IC1.3 10.27,59.8 v1(9.9,59.43)
  Bottom w0.15: v1(21.4,41.04) 21.4,46.46 20.45,47.41 15.31,47.41 15.06,47.66 15.06,54.86 10.49,59.43 v1(9.9,59.43)
USB_PD_IC_VBUS_MIN: length 54.3
  Top w0.15: v1(8.94,65.74) 12.19,62.49 IC1.1 ; SW3.2 22.06,34.79 v1(20.94,34.79)
  Bottom w0.15: v1(20.94,34.79) 19.35,34.79 19.04,35.1 19.04,40.31 12.75,46.6 12.75,51.96 11.75,52.96 11.75,53.47 9.9,55.32 5.92,55.32 2.83,58.41 2.83,64.11 4.46,65.74 v1(8.94,65.74)
USB_PD_IC_VDC_OUT: length 39.7
  Top w0.15: U6.19 43.39,47.23 44.78,48.62 45.89,48.62 v1(46.47,49.2) ; 21.36,59.42 21.25,59.42 17.78,55.95 15.84,55.95 14.96,56.83 IC1.11
  Top w0.4: U6.12 41.95,46.15
  Top w0.5: C16.1 46.2,41 v1(45.46,41.74) ; C16.1 C14.1 ; C16.1 C12.1 ; C14.1 v1(42.91,41.79) 41.95,42.75 U6.12 ; C14.1 43.83,42.08 v1(44.16,42.41) ; C14.1 43.83,41.22 v1(44.99,42.38) ; C14.1 43.83,41.5 ; C14.1 43.83,41.02 v1(44.6,41.79) ; R44.1 53.18,52.91 52.21,53.88 v1(51.71,53.88) ; C13.2 46.74,49.47 v1(46.47,49.2) ; 43.83,41.5 43.83,41.8 v1(43.24,42.39) ; 43.83,41.5 43.83,41.79 v1(43.88,41.84)
  vias: v1(27.41,62.03) v1(27.45,61.38) v1(28.2,61.36) v1(28.31,62.01) v1(28.9,61.17) v1(29.31,60.59)
Net-(C35-Pad1): length 3.1
  Top w0.15: 47.22,34.55 47.22,34.58 46.3,35.5 C35.1 45.82,35.5 R22.1
  Top w0.2: C36.2 47.22,34.55
Net-(C37-Pad2): length 5.7
  Top w0.2: U6.6 36.94,43.74 U6.11
  Top w0.25: U6.11 35.77,42.57 34.78,42.57 C37.2
Net-(C38-Pad1): length 4.3
  Top w0.2: 54.44,49.72 54.24,49.92 R44.2 53.17,49.91 R45.1 51.67,49.9 R46.2
Net-(R10-Pad2): length 4.8
  Top w0.15: R11.2 23.02,28.79 R10.2 22.11,30.31 SW3.1
Net-(R13-Pad2): length 3.3
  Top w0.15: SW3.6 28.38,37.34 27.95,37.77 R16.2 27.95,40.14 R13.2
Net-(R39-Pad2): length 5.4
  Top w0.15: R40.1 29.86,32.34 SW3.4 28.61,31.62 R39.2
Net-(U1-Q): length 6.3
  Top w0.15: U12.1 48.8,22.08 U1.4
  Top w0.2: R19.2 49.35,20.09 U12.1
Net-(U3-G): length 9.5
  Top w0.15: U4.1 18.78,41.7 18.78,43.6 ; 18.78,43.6 19.24,43.6 U3.1 ; 18.78,43.6 17.89,43.6 R14.1 16.65,44.84 R15.2
Net-(U3-S): length 3.6
  Top w0.8: U4.2 20.79,42.52 22.13,43.86 U3.2
Net-(U6-MODE): length 4.2
  Top w0.15: R18.2 43.04,47.72 41.96,47.72 U6.20
Net-(U6-TRIP): length 2.9
  Top w0.15: R38.2 43.73,49.28 42.68,48.23 U6.21
Net-(U6-VBST): length 7.1
  Top w0.15: U6.4 35.98,47.24 v1(35.9,47.16)
  Top w0.25: 35.57,43.89 35.5,43.96 v1(35.47,43.96) 34.49,43.96 C37.1
  Bottom w0.25: v1(35.47,43.96) 36.25,43.96 37.08,44.79 37.08,45.99 v1(35.9,47.16)
